# KiCad board PROC099A_PCB-PcbDoc.kicad_pcb (continued)
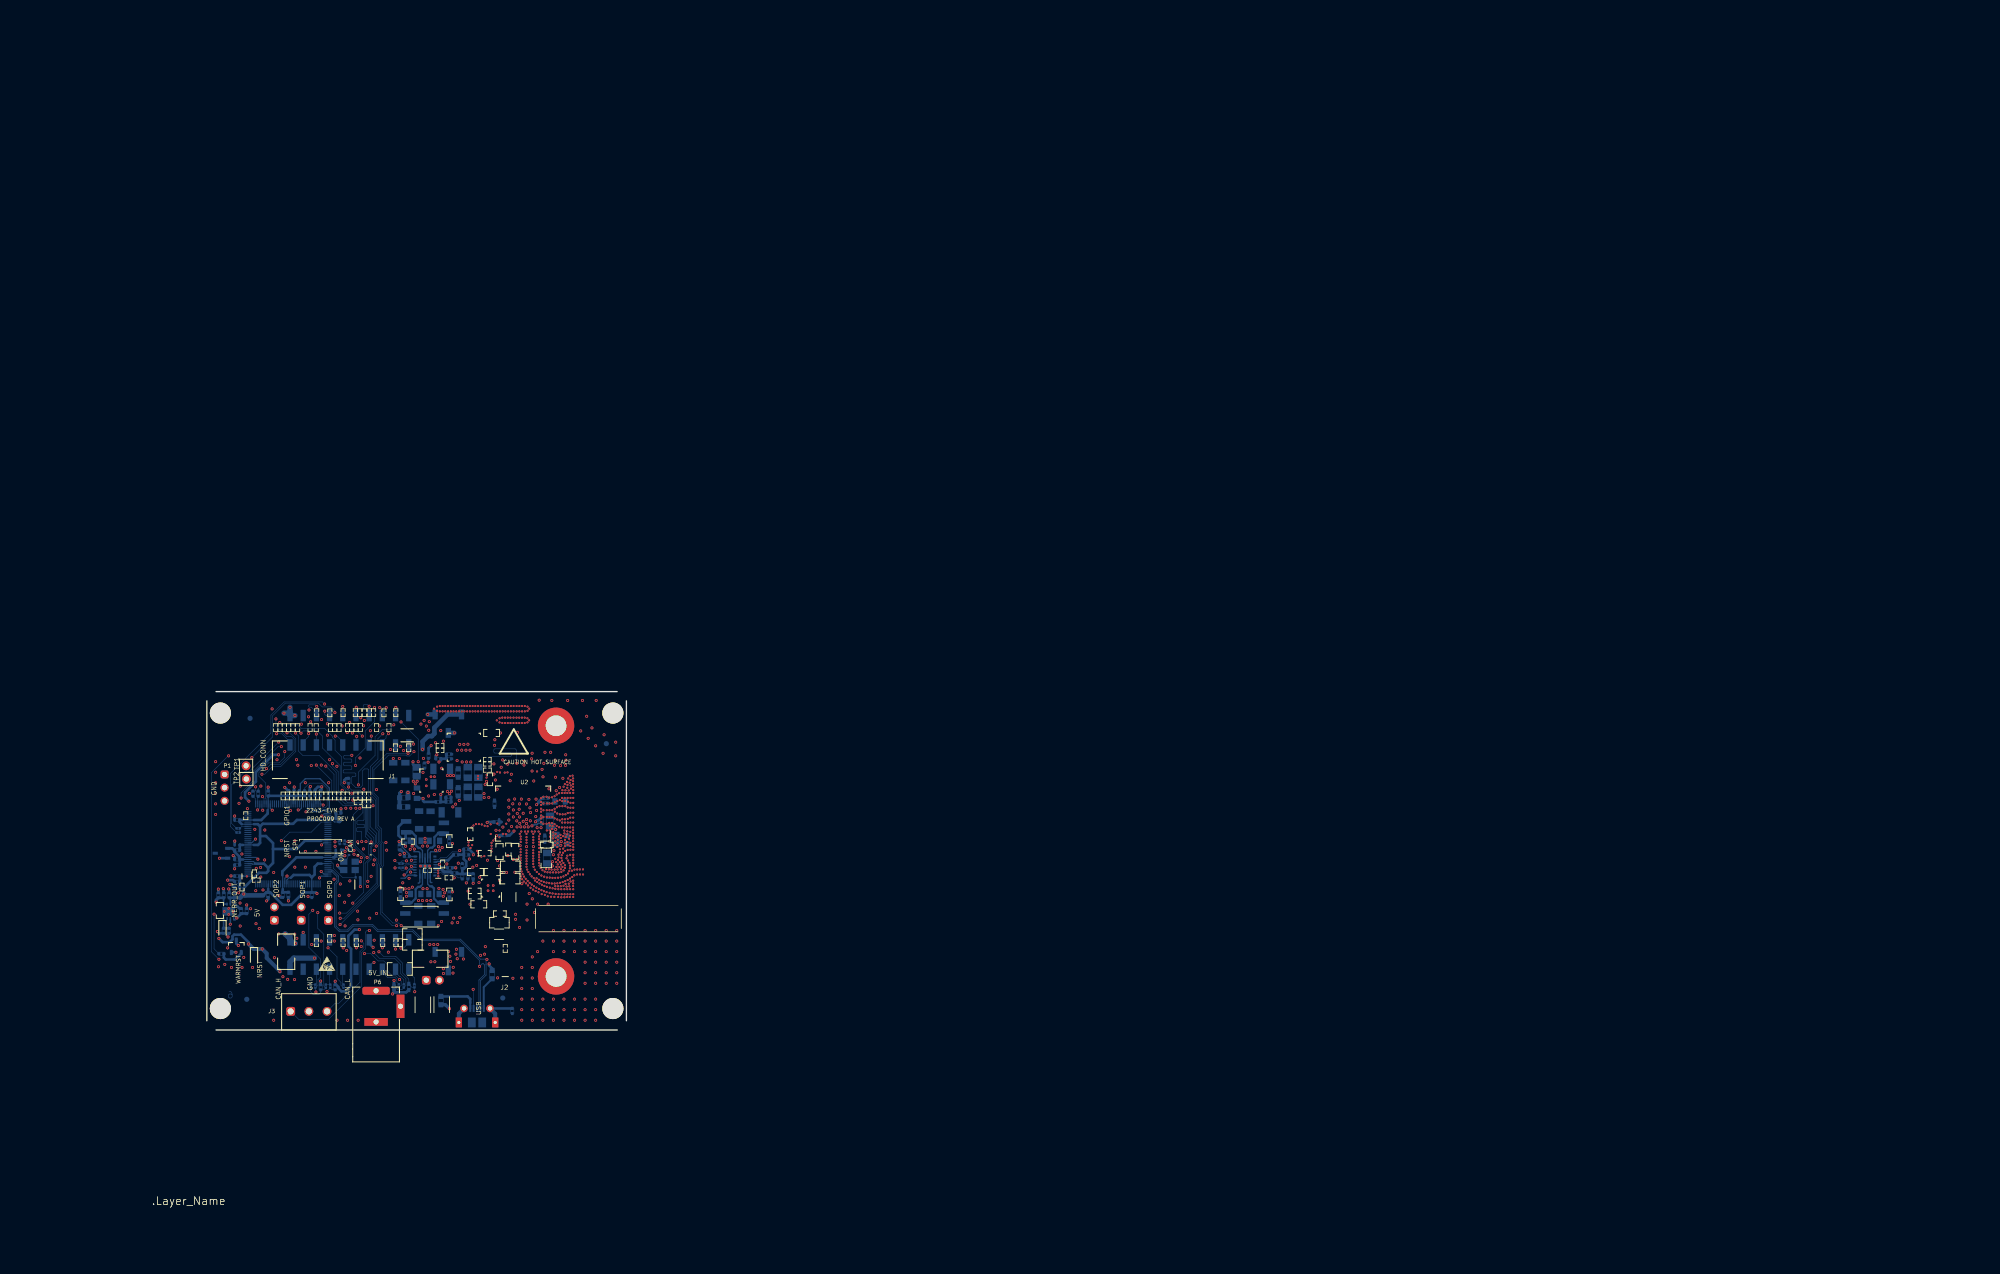
[diagram p0: board, top side]
## Placement (name value [footprint] x y rotation side) (continued)
R142  RES, 4.99 k, 1%, 0.1 W, AEC-Q200 Grade 0, 0402  [0402L#2]  49.94 33.77 0 bottom
R143  RES, 4.99 k, 1%, 0.063 W, AEC-Q200 Grade 0, 0402  [0402L#4]  47.98 33.76 0 bottom
R144  RES, 0, 5%, 0.05 W, 0201  [0201_Silk#3]  37.38 31.22 0 bottom
R145  RES, 10.0 k, 1%, 0.063 W, AEC-Q200 Grade 0, 0402  [0402L]  49.18 31.56 0 bottom
R146  RES, 0, 5%, 0.05 W, 0201  [0201_Silk#4]  37.38 32.05 0 bottom
R147  RES, 4.99 k, 1%, 0.063 W, AEC-Q200 Grade 0, 0402  [0402L#4]  47.67 30.23 0 bottom
R148  RES, 10.0 k, 1%, 0.063 W, AEC-Q200 Grade 0, 0402  [0402L#3]  50.23 29.59 0 bottom
R149  RES, 1.0 k, 5%, 0.1 W, AEC-Q200 Grade 0, 0402  [0402L]  51.28 29.58 0 bottom
R150  RES, 4.99 k, 1%, 0.1 W, AEC-Q200 Grade 0, 0402  [0402L]  49.19 29.58 0 bottom
R151  RES, 330 k, 1%, 0.063 W, AEC-Q200 Grade 0, 0402  [0402L#2]  5.85 28.54 0 bottom
R152  RES, 0, 5%, 0.063 W, 0402  [0402L#4]  23.29 31.34 0 top
R153  RES, 330 k, 1%, 0.063 W, AEC-Q200 Grade 0, 0402  [0402L#4]  5.85 27.44 0 bottom
R154  RES, 100, 5%, 0.1 W, AEC-Q200 Grade 0, 0402  [0402L#3]  21.3 27.69 0 top
R155  RES, 10.0 k, 1%, 0.063 W, AEC-Q200 Grade 0, 0402  [0402L#3]  20.21 26 0 bottom
R156  RES, 49.9 k, 1%, 0.063 W, AEC-Q200 Grade 0, 0402  [0402L#3]  6.62 22.9 0 bottom
R157  RES, 30.0 k, 1%, 0.063 W, AEC-Q200 Grade 0, 0402  [0402L]  7.67 22.89 0 bottom
R158  RES, 100 k, 1%, 0.063 W, AEC-Q200 Grade 0, 0402  [0402L#3]  4.28 19.11 0 bottom
R159  RES, 0, 5%, 0.063 W, 0402  [0402L#3]  3.23 19.11 0 bottom
R160  RES, 510, 5%, 0.1 W, AEC-Q200 Grade 0, 0402  [0402L#4]  2.81 14.69 0 bottom
R161  RES, 0, 5%, 0.125 W, 0603  [0603#2]  54.93 10.67 0 bottom
R162  RES, 0, 5%, 0.05 W, 0201  [0201_Silk]  39.95 8.5 0 bottom
R163  RES, 0, 5%, 0.05 W, 0201  [0201_Silk]  37.92 8.49 0 bottom
R164  RES, 0, 5%, 0.05 W, 0201  [0201_Silk]  36.97 8.49 0 bottom
R165  RES, 0, 5%, 0.05 W, 0201  [0201_Silk]  26.3 8.44 0 bottom
R166  RES, 0, 5%, 0.05 W, 0201  [0201_Silk]  23.76 8.43 0 bottom
R167  RES, 0, 5%, 0.05 W, 0201  [0201_Silk]  22.91 8.43 0 bottom
R168  RES, 0, 5%, 0.05 W, 0201  [0201_Silk]  20.89 8.43 0 bottom
R169  RES, 0, 5%, 0.05 W, 0201  [0201_Silk]  20.01 8.43 0 bottom
R170  RES, 2.94 k, 1%, 0.063 W, AEC-Q200 Grade 0, 0402  [0402#3]  38.88 8.29 0 bottom
R171  RES, 2.94 k, 1%, 0.063 W, AEC-Q200 Grade 0, 0402  [0402#3]  36.02 8.29 0 bottom
R172  RES, 100 k, 1%, 0.063 W, AEC-Q200 Grade 0, 0402  [0402L#3]  24.71 8.22 0 bottom
R173  RES, 100 k, 1%, 0.063 W, AEC-Q200 Grade 0, 0402  [0402L#3]  21.91 8.22 0 bottom
R174  RES, 30.0 k, 1%, 0.063 W, AEC-Q200 Grade 0, 0402  [0402L#3]  58.8 3.67 0 bottom
R175  RES, 0, 5%, 0.125 W, 0603  [0603#2]  45.05 5.66 0 bottom
R176  RES, 0, 5%, 0.125 W, 0603  [0603#2]  2.51 23.01 0 top
R177  RES, 0, 5%, 0.063 W, 0402  [0402L#3]  33.33 21.31 0 top
R178  RES, 10.0 k, 1%, 0.063 W, AEC-Q200 Grade 0, 0402  [0402L#3]  34.27 24.6 0 top
R179  RES, 10.0 k, 1%, 0.063 W, AEC-Q200 Grade 0, 0402  [0402L#2]  42.29 29.78 0 top
R180  RES, 0, 5%, 0.05 W, 0201  [0201_Silk#3]  42.48 30.76 0 top
R181  RES, 0, 5%, 0.05 W, 0201  [0201_Silk#3]  46.61 29.3 0 top
R182  RES, 0, 5%, 0.05 W, 0201  [0201_Silk#2]  45.4 31.96 0 top
R183  RES, 0, 5%, 0.063 W, 0402  [0402L#4]  46.8 30.21 0 top
R184  RES, 10.0 k, 1%, 0.063 W, AEC-Q200 Grade 0, 0402  [0402L#3]  6.18 29.87 0 top
R185  RES, 0, 5%, 0.05 W, 0201  [0201_Silk#2]  9.16 30.07 0 top
R186  RES, 0, 5%, 0.05 W, 0201  [0201_Silk#3]  9.51 28.85 0 top
R187  RES, 0, 5%, 0.063 W, 0402  [0402L#3]  7.71 27.33 0 top
R188  RES, 0, 5%, 0.05 W, 0201  [0201_Silk#2]  6.77 27.53 0 top
R189  RES, 360, 5%, 0.1 W, AEC-Q200 Grade 0, 0402  [0402L]  2.24 10.9 0 top
R190  RES, 3.83, 1%, 0.063 W, AEC-Q200 Grade 0, 0402  [0402L#3]  38.27 36.48 0 bottom
R191  RES, 3.83, 1%, 0.063 W, AEC-Q200 Grade 0, 0402  [0402L#3]  46.67 36.33 0 bottom
R192  RES, 3.83, 1%, 0.063 W, AEC-Q200 Grade 0, 0402  [0402L]  37.28 26.16 0 bottom
R193  RES, 3.83, 1%, 0.063 W, AEC-Q200 Grade 0, 0402  [0402L]  46.69 26.11 0 bottom
R194  RES, 4.87 k, 1%, 0.063 W, AEC-Q200 Grade 0, 0402  [0402L]  19.82 45.58 0 bottom
R195  RES, 10.0 k, 1%, 0.063 W, 0402  [0402L#4]  33.5 33.84 0 top
R196  RES, 10.0 k, 1%, 0.063 W, AEC-Q200 Grade 0, 0402  [0402L]  27.27 47.97 0 bottom
R197  RES, 0, 5%, 0.05 W, 0201  [0201]  67.84 53.89 0 top
R198  RES, 0, 5%, 0.05 W, 0201  [0201]  67.84 52.95 0 top
S1  Switch, Slide, SPST, Top Slide, SMT  [SW_CHS-01TB]  21.91 35.37 0 top
SW1  Switch, SPST-NO, Off-Mom, 0.01 A, 32 VDC, SMD  [SW_KMR243GLFG]  11.16 40.64 0 top
SW2  Switch, SPST-NO, Off-Mom, 0.01 A, 32 VDC, SMD  [SW_KMR243GLFG]  11.13 34.86 0 top
TP1  Header, 100mil, 1x1, Tin, TH  [Samtec_TSW-101-17-T-S]  7.56 50.86 0 top
TP2  Header, 100mil, 1x1, Tin, TH  [Samtec_TSW-101-17-T-S]  7.61 48.32 0 top
U1  2.3V-3.6V, 16M-BIT [x 1/x 2/x 4] CMOS FLASH Memory, WSON-8  [WSON-8L_6x5MM_EP]  49.48 54.44 0 top
U2  Single Chip 77 and 79 GHz FMCW Transceiver, ABL0161A (FCBGA-161)  [ABL0161A]  60.89 41.67 0 top
U3  Automotive Fault Protected CAN Transceiver With Flexible Data-Rate, D0008A (SOIC-8)  [D0008A_L]  30.99 28.01 0 top
U4  Automotive Low-Noise, Wide-Bandwidth, High PSRR, Low-Dropout 1-A Linear Regulator, DRB0008A (VSON-8)  [DRB0008A]  54.63 27.32 0 top
U5  Dual, 1-A, Low Noise (3.8-uVRMS), LDO Voltage Regulator, RTJ0020D (WQFN-20)  [RTJ0020D]  43.23 48.03 0 top
U6  Tiva C Series Microcontroller, 1024 KB Flash, 256 KB SRAM, 12 Bit, 20 Channels, -40 to 105 degC, 128-Pin TQFP (PDT), Green (RoHS & no Sb/Br), Tray  [PDT0128A]  15.61 35.83 0 bottom
U7  Precision Micropower Shunt Voltage Reference, 0.5% accuracy, 2.5 V, 15 ppm / degC, 15 mA, -40 to 125 degC, 3-pin SOT-23 (DBZ), Green (RoHS & no Sb/Br)  [DBZ0003A_N]  2.82 34.03 0 bottom
U8  4-A + 2.5-A + Two 1.5-A Buck Converters With Integrated Switches, RNF0026C (VQFN-HR-26)  [RNF0026C]  42.01 31.57 0 bottom
U9  Single Output High PSRR LDO, 1 A, Adjustable 1.2 to 5.5 V Output, 2.7 to 5.5 V Input, 8-pin SON (DRB), -40 to 125 degC, Green (RoHS & no Sb/Br)  [DRB0008B]  4.21 22.83 0 bottom
U10  ESD-Protection Array for High-Speed Data Interfaces, 4 Channels, -40 to +85 degC, 6-pin SON (DRY), Green (RoHS & no Sb/Br)  [DRY0006A]  52.8 13.16 0 top
U11  1.4V-Capable +/-0.5degC Temperature Sensor with Alert Function and I2C/SMBus interface in SOT-563, DRL0006A (SOT-OTHER-6)  [DRL0006A]  44.56 30.16 0 top
U12  1.4V-Capable +/-0.5degC Temperature Sensor with Alert Function and I2C/SMBus interface in SOT-563, DRL0006A (SOT-OTHER-6)  [DRL0006A#2]  7.71 29.57 0 top
U13  10-Ohm Quad SPDT Analog Switch, RSV0016A (UQFN-16)  [RSV0016A]  30.34 34.79 0 top
Y1  Crystal, 40 MHz, 8pF, SMD  [Kyocera_CX3225SA]  52.87 36.67 0 top
Y2  Crystal, 16 MHz, 15 ppm, 8 pF, AEC-Q200 Grade 1, SMD  [NDK_NX3225SA]  27.46 31.6 0 bottom
ZZ1  This Assembly Note is for PCB labels only  [AssemblyNoteLabel]  -9.69 83.61 0 top
ZZ2  These assemblies are ESD sensitive, ESD precautions shall be observed.  [AssemblyNote]  -9.69 80.85 0 top
ZZ3  These assemblies must be clean and free from flux and all contaminants. Use of no clean flux is not acceptable.  [AssemblyNote]  -9.69 78.6 0 top
ZZ4  These assemblies must comply with workmanship standards IPC-A-610 Class 2, unless otherwise specified.  [AssemblyNote]  -9.69 76.35 0 top
ZZ5  Micro USB cable, Brackets, Screws, Nuts, Jumpers and Bump on need to be placed in a platic bag  [AssemblyNote]  -9.71 73.99 0 top

## Footprints (pads in the part's own frame, mm; a bottom-side part is the same pattern mirrored in y, then rotated)
0201
  rect 0.46x0.42 smd: 1(0.33,0) 2(-0.33,0)
0201_033
  rect 0.46x0.42 smd: 1(0.33,0) 2(-0.33,0)
0201_Silk
  rect 0.42x0.46 smd: 1(0,0.33) 2(0,-0.33)
0201_Silk#2
  rect 0.42x0.46 smd: 1(0,-0.33) 2(0,0.33)
0201_Silk#3
  rect 0.46x0.42 smd: 1(-0.33,0) 2(0.33,0)
0201_Silk#4
  rect 0.46x0.42 smd: 1(0.33,0) 2(-0.33,0)
0402
  rect 0.6x0.8 smd: 1(0,0.6) 2(0,-0.6)
0402#2
  rect 0.8x0.6 smd: 1(-0.6,0) 2(0.6,0)
0402#3
  rect 0.6x0.8 smd: 1(0,-0.6) 2(0,0.6)
0402#4
  rect 0.8x0.6 smd: 1(0.6,0) 2(-0.6,0)
0402_065L
  rect 0.5x0.6 smd: 1(0,-0.5) 2(0,0.5)
0402_065L#2
  rect 0.5x0.6 smd: 1(0,0.5) 2(0,-0.5)
0402_070
  rect 0.381x0.61 smd: 1(-0.508,0) 2(0.508,0)
0402_070#2
  rect 0.61x0.381 smd: 1(0,0.508) 2(0,-0.508)
0402_070#3
  rect 0.381x0.61 smd: 1(0.508,0) 2(-0.508,0)
0402L
  rect 0.5x0.6 smd: 1(0,-0.5) 2(0,0.5)
0402L#2
  rect 0.6x0.5 smd: 1(0.5,0) 2(-0.5,0)
0402L#3
  rect 0.5x0.6 smd: 1(0,0.5) 2(0,-0.5)
0402L#4
  rect 0.6x0.5 smd: 1(-0.5,0) 2(0.5,0)
0402S
  rect 0.381x0.61 smd: 1(0.508,0) 2(-0.508,0)
0603
  rect 1x0.95 smd: 1(0.8,0) 2(-0.8,0)
0603#2
  rect 0.95x1 smd: 1(0,0.8) 2(0,-0.8)
0603#3
  rect 1x0.95 smd: 1(-0.8,0) 2(0.8,0)
0603#4
  rect 0.95x1 smd: 1(0,-0.8) 2(0,0.8)
0805
  rect 1.5x1.3 smd: 1(0,-0.85) 2(0,0.85)
0805_HV
  rect 1.6x1.27 smd: 1(0,1.016) 2(0,-1.016)
0805_HV1
  rrect 1x1.25 smd: 1(1,0) 2(-1,0)
0805_HV1#2
  rrect 1.25x1 smd: 1(0,1) 2(0,-1)
0805_HV1#3
  rrect 1x1.25 smd: 1(-1,0) 2(1,0)
0805_HV#2
  rect 1.27x1.6 smd: 1(-1.016,0) 2(1.016,0)
0805_HV#3
  rect 1.6x1.27 smd: 1(0,-1.016) 2(0,1.016)
1206
  rect 1.3x1.85 smd: 1(1.45,0) 2(-1.45,0)
1206_180
  rect 1.1x1.6 smd: 1(-1.7,0) 2(1.7,0)
1206_180#2
  rect 1.6x1.1 smd: 1(0,-1.7) 2(0,1.7)
1206_180#3
  rect 1.6x1.1 smd: 1(0,1.7) 2(0,-1.7)
2010
  rect 2.7x1.6 smd: 1(0,2.3) 2(0,-2.3)
2010#2
  rect 1.6x2.7 smd: 1(-2.3,0) 2(2.3,0)
2010L
  rect 1.2x2.7 smd: 1(-2.2,0) 2(2.2,0)
3528-21
  rrect 2.23x1.8 smd: 1(0,1.46) 2(0,-1.46)
ABL0161A
  round 0.32 smd: A1(4.55,-4.55) A2(3.9,-4.55) A3(3.25,-4.55) A5(1.95,-4.55) A7(0.65,-4.55) A9(-0.65,-4.55) A10(-1.3,-4.55) A13(-3.25,-4.55) A14(-3.9,-4.55) A15(-4.55,-4.55) B1(4.55,-3.9) B2(3.9,-3.9) B3(3.25,-3.9) B4(2.6,-3.9) B5(1.95,-3.9) B6(1.3,-3.9) B7(0.65,-3.9) B8(0,-3.9) B9(-0.65,-3.9) B10(-1.3,-3.9) B11(-1.95,-3.9) B12(-2.6,-3.9) B13(-3.25,-3.9) B14(-3.9,-3.9) B15(-4.55,-3.9) C1(4.55,-3.25) C2(3.9,-3.25) C3(3.25,-3.25) C4(2.6,-3.25) C5(1.95,-3.25) C6(1.3,-3.25) C7(0.65,-3.25) C8(0,-3.25) C9(-0.65,-3.25) C13(-3.25,-3.25) C14(-3.9,-3.25) C15(-4.55,-3.25) D1(4.55,-2.6) D2(3.9,-2.6) D13(-3.25,-2.6) D15(-4.55,-2.6) E1(4.55,-1.95) E2(3.9,-1.95) E3(3.25,-1.95) E5(1.95,-1.95) E6(1.3,-1.95) E8(0,-1.95) E10(-1.3,-1.95) E11(-1.95,-1.95) E13(-3.25,-1.95) E14(-3.9,-1.95) E15(-4.55,-1.95) F2(3.9,-1.3) F3(3.25,-1.3) F5(1.95,-1.3) F9(-0.65,-1.3) F11(-1.95,-1.3) F13(-3.25,-1.3) F14(-3.9,-1.3) G1(4.55,-0.65) G2(3.9,-0.65) G3(3.25,-0.65) G5(1.95,-0.65) G6(1.3,-0.65) G7(0.65,-0.65) G8(0,-0.65) G10(-1.3,-0.65) G13(-3.25,-0.65) G14(-3.9,-0.65) G15(-4.55,-0.65) H2(3.9,0) H3(3.25,0) H5(1.95,0) H7(0.65,0) H9(-0.65,0) H11(-1.95,0) H13(-3.25,0) H14(-3.9,0) H15(-4.55,0) J1(4.55,0.65) J2(3.9,0.65) J3(3.25,0.65) J5(1.95,0.65) J6(1.3,0.65) J7(0.65,0.65) J8(0,0.65) J10(-1.3,0.65) J13(-3.25,0.65) J14(-3.9,0.65) J15(-4.55,0.65) K2(3.9,1.3) K3(3.25,1.3) K5(1.95,1.3) K7(0.65,1.3) K8(0,1.3) K9(-0.65,1.3) K10(-1.3,1.3) K11(-1.95,1.3) K13(-3.25,1.3) K14(-3.9,1.3) K15(-4.55,1.3) L1(4.55,1.95) L2(3.9,1.95) L3(3.25,1.95) L5(1.95,1.95) L6(1.3,1.95) L8(0,1.95) L10(-1.3,1.95) L13(-3.25,1.95) L14(-3.9,1.95) L15(-4.55,1.95) M2(3.9,2.6) M3(3.25,2.6) M13(-3.25,2.6) M14(-3.9,2.6) M15(-4.55,2.6) N1(4.55,3.25) N2(3.9,3.25) N3(3.25,3.25) N4(2.6,3.25) N5(1.95,3.25) N6(1.3,3.25) N7(0.65,3.25) N8(0,3.25) N9(-0.65,3.25) N10(-1.3,3.25) N11(-1.95,3.25) N12(-2.6,3.25) N13(-3.25,3.25) N14(-3.9,3.25) N15(-4.55,3.25) P1(4.55,3.9) P2(3.9,3.9) P3(3.25,3.9) P4(2.6,3.9) P5(1.95,3.9) P6(1.3,3.9) P7(0.65,3.9) P8(0,3.9) P9(-0.65,3.9) P10(-1.3,3.9) P11(-1.95,3.9) P12(-2.6,3.9) P13(-3.25,3.9) P14(-3.9,3.9) P15(-4.55,3.9) R1(4.55,4.55) R2(3.9,4.55) R3(3.25,4.55) R4(2.6,4.55) R5(1.95,4.55) R6(1.3,4.55) R7(0.65,4.55) R8(0,4.55) R9(-0.65,4.55) R10(-1.3,4.55) R11(-1.95,4.55) R12(-2.6,4.55) R13(-3.25,4.55) R14(-3.9,4.55) R15(-4.55,4.55)
CONN_105017-0001
  rect 0.4x1.35 smd: 1(1.3,-1.35) 2(0.65,-1.35) 3(0,-1.35) 4(-0.65,-1.35) 5(-1.3,-1.35)
  rrect 1.2x1.9 hole 0.6: 6(3.5,1.35) 9(-3.5,1.35)
  rect 1.5x1.9 smd: 7(1,1.35) 8(-1,1.35)
  round 1.45 hole 0.85: 10(-2.5,-1.35) 11(2.5,-1.35)
CUI_PJ-002AH
  rrect 5.25x1.5 hole 1: 1(0,3)
  rrect 4.5x1.5 hole 1: 2(0,-3)
  rrect 1.5x4.5 hole 1: 3(4.7,0)
D0008A_L
  oval 0.55x1.25 smd: 1(1.905,2.625) 2(0.635,2.625) 3(-0.635,2.625) 4(-1.905,2.625) 5(-1.905,-2.625) 6(-0.635,-2.625) 7(0.635,-2.625) 8(1.905,-2.625)
DBZ0003A_N
  rrect 1x0.6 smd: 1(1.2,-0.95) 2(1.2,0.95) 3(-1.2,0)
DEFAULT
  round 4.064 hole 4.064 unplated: (45.517,111.1) (45.517,54.204) (121.069,111.1) (121.069,54.204)
  round 7 hole 4: 0(110.133,108.65) 1(110.133,60.39)
DFE252012P
  rect 2x0.9 smd: 1(0,1.05) 2(0,-1.05)
DFE252012P#2
  rect 2x0.9 smd: 1(0,-1.05) 2(0,1.05)
DRB0008A
  rrect 0.3x0.6 smd: 1(0.975,1.4) 2(0.325,1.4) 3(-0.325,1.4) 4(-0.975,1.4) 5(-0.975,-1.4) 6(-0.325,-1.4) 7(0.325,-1.4) 8(0.975,-1.4)
  rrect 1.75x1.5 smd: 9(0,0)
DRB0008B
  rrect 1.06x1.47 smd: (-0.63,0) (0.63,0)
  rrect 0.3x0.6 smd: 1(-0.975,-1.4) 2(-0.325,-1.4) 3(0.325,-1.4) 4(0.975,-1.4) 5(0.975,1.4) 6(0.325,1.4) 7(-0.325,1.4) 8(-0.975,1.4)
  rrect 2.4x1.65 smd: 9(0,0)
DRL0006A
  rrect 0.67x0.3 smd: 1(-0.74,0.5) 2(-0.74,0) 3(-0.74,-0.5) 4(0.74,-0.5) 5(0.74,0) 6(0.74,0.5)
DRL0006A#2
  rrect 0.3x0.67 smd: 1(0.5,0.74) 2(0,0.74) 3(-0.5,0.74) 4(-0.5,-0.74) 5(0,-0.74) 6(0.5,-0.74)
DRY0006A
  rrect 0.2x0.35 smd: 1(0.5,0.275)
  rrect 0.2x0.3 smd: 2(0,0.3) 3(-0.5,0.3) 4(-0.5,-0.3) 5(0,-0.3) 6(0.5,-0.3)
Fiducial10-20
  round 1 smd: 1(0,0)
FP-GCM1555C1H8R0DA16_0402-MFG
  rrect 0.4x0.5 smd: 1(-0.4,0) 2(0.4,0)
FP-GCM1555C1H8R0DA16_0402-MFG#2
  rrect 0.5x0.4 smd: 1(0,0.4) 2(0,-0.4)
Johnson_128-0711-201
  rrect 1x1.05 smd: 1(0,1.525)
  rrect 1.05x2.2 smd: 2(-1.475,0) 3(1.475,0)
Kyocera_CX3225SA
  rrect 1.05x1.45 smd: 1(0.925,-1.075) 2(0.925,1.075) 3(-0.925,1.075) 4(-0.925,-1.075)
Label_650x200
  round 0.025 smd: (0,0)
NDK_NX3225SA
  rect 1.4x1.2 smd: 1(-1.1,-0.8) 2(1.1,-0.8) 3(1.1,0.8) 4(-1.1,0.8)
NLCV32
  rect 2x1.2 smd: 1(0,-1.6) 2(0,1.6)
NLCV32#2
  rect 1.2x2 smd: 1(-1.6,0) 2(1.6,0)
On-Shore_OSTTE030161
  rrect 1.7x1.7 hole 1.2: 1(-3.5,0)
  round 1.7 hole 1.2: 2(0,0) 3(3.5,0)
PDT0128A
  oval 1.4x0.2 smd: 1(-7.7,6.2) 2(-7.7,5.8) 3(-7.7,5.4) 4(-7.7,5) 5(-7.7,4.6) 6(-7.7,4.2) 7(-7.7,3.8) 8(-7.7,3.4) 9(-7.7,3) 10(-7.7,2.6) 11(-7.7,2.2) 12(-7.7,1.8) 13(-7.7,1.4) 14(-7.7,1) 15(-7.7,0.6) 16(-7.7,0.2) 17(-7.7,-0.2) 18(-7.7,-0.6) 19(-7.7,-1) 20(-7.7,-1.4) 21(-7.7,-1.8) 22(-7.7,-2.2) 23(-7.7,-2.6) 24(-7.7,-3) 25(-7.7,-3.4) 26(-7.7,-3.8) 27(-7.7,-4.2) 28(-7.7,-4.6) 29(-7.7,-5) 30(-7.7,-5.4) 31(-7.7,-5.8) 32(-7.7,-6.2) 65(7.7,-6.2) 66(7.7,-5.8) 67(7.7,-5.4) 68(7.7,-5) 69(7.7,-4.6) 70(7.7,-4.2) 71(7.7,-3.8) 72(7.7,-3.4) 73(7.7,-3) 74(7.7,-2.6) 75(7.7,-2.2) 76(7.7,-1.8) 77(7.7,-1.4) 78(7.7,-1) 79(7.7,-0.6) 80(7.7,-0.2) 81(7.7,0.2) 82(7.7,0.6) 83(7.7,1) 84(7.7,1.4) 85(7.7,1.8) 86(7.7,2.2) 87(7.7,2.6) 88(7.7,3) 89(7.7,3.4) 90(7.7,3.8) 91(7.7,4.2) 92(7.7,4.6) 93(7.7,5) 94(7.7,5.4) 95(7.7,5.8) 96(7.7,6.2)
  oval 0.2x1.4 smd: 33(-6.2,-7.7) 34(-5.8,-7.7) 35(-5.4,-7.7) 36(-5,-7.7) 37(-4.6,-7.7) 38(-4.2,-7.7) 39(-3.8,-7.7) 40(-3.4,-7.7) 41(-3,-7.7) 42(-2.6,-7.7) 43(-2.2,-7.7) 44(-1.8,-7.7) 45(-1.4,-7.7) 46(-1,-7.7) 47(-0.6,-7.7) 48(-0.2,-7.7) 49(0.2,-7.7) 50(0.6,-7.7) 51(1,-7.7) 52(1.4,-7.7) 53(1.8,-7.7) 54(2.2,-7.7) 55(2.6,-7.7) 56(3,-7.7) 57(3.4,-7.7) 58(3.8,-7.7) 59(4.2,-7.7) 60(4.6,-7.7) 61(5,-7.7) 62(5.4,-7.7) 63(5.8,-7.7) 64(6.2,-7.7) 97(6.2,7.7) 98(5.8,7.7) 99(5.4,7.7) 100(5,7.7) 101(4.6,7.7) 102(4.2,7.7) 103(3.8,7.7) 104(3.4,7.7) 105(3,7.7) 106(2.6,7.7) 107(2.2,7.7) 108(1.8,7.7) 109(1.4,7.7) 110(1,7.7) 111(0.6,7.7) 112(0.2,7.7) 113(-0.2,7.7) 114(-0.6,7.7) 115(-1,7.7) 116(-1.4,7.7) 117(-1.8,7.7) 118(-2.2,7.7) 119(-2.6,7.7) 120(-3,7.7) 121(-3.4,7.7) 122(-3.8,7.7) 123(-4.2,7.7) 124(-4.6,7.7) 125(-5,7.7) 126(-5.4,7.7) 127(-5.8,7.7) 128(-6.2,7.7)
RNF0026C
  rrect 0.6x0.3 smd: (-1.9,-1.775) (-1.9,1.775) (1.9,-1.775) (1.9,1.775)
  rrect 0.3x0.825 smd: (-1.575,-2.038) (-1.575,2.038) (1.575,-2.038) (1.575,2.038)
  rrect 0.25x0.81 smd: (-1,-2.045) (-1,-1.035) (-1,1.035) (-1,2.045) (-0.5,-2.045) (-0.5,-1.035) (-0.5,1.035) (-0.5,2.045) (0,-2.045) (0,-1.035) (0,1.035) (0,2.045) (0.5,-2.045) (0.5,-1.035) (0.5,1.035) (0.5,2.045) (1,-2.045) (1,-1.035) (1,1.035) (1,2.045)
  rrect 0.98x0.66 smd: (-0.59,0) (0.59,0)
  rrect 0.6x0.4 smd: 1(-1.9,1.825) 8(-1.9,-1.825) 14(1.9,-1.825) 21(1.9,1.825)
  rrect 0.6x0.25 smd: 2(-1.9,1.25) 3(-1.9,0.75) 4(-1.9,0.25) 5(-1.9,-0.25) 6(-1.9,-0.75) 7(-1.9,-1.25) 15(1.9,-1.25) 16(1.9,-0.75) 17(1.9,-0.25) 18(1.9,0.25) 19(1.9,0.75) 20(1.9,1.25)
  rrect 0.25x1.82 smd: 9(-1,-1.54) 10(-0.5,-1.54) 11(0,-1.54) 12(0.5,-1.54) 13(1,-1.54) 22(1,1.54) 23(0.5,1.54) 24(0,1.54) 25(-0.5,1.54) 26(-1,1.54)
  rrect 2.24x0.66 smd: 27(0,0)
RSV0016A
  rect 0.2x0.7 smd: 1(0.6,0.75)
  rect 0.2x0.6 smd: 2(0.2,0.8) 3(-0.2,0.8) 4(-0.6,0.8) 9(-0.6,-0.8) 10(-0.2,-0.8) 11(0.2,-0.8) 12(0.6,-0.8)
  rect 0.6x0.2 smd: 5(-1.2,0.6) 6(-1.2,0.2) 7(-1.2,-0.2) 8(-1.2,-0.6) 13(1.2,-0.6) 14(1.2,-0.2) 15(1.2,0.2) 16(1.2,0.6)
RTJ0020D
  rrect 1.19x1.19 smd: (-0.695,0.695) (-0.695,-0.695) (0.695,0.695) (0.695,-0.695)
  rrect 0.6x0.24 smd: 1(-1.9,1) 2(-1.9,0.5) 3(-1.9,0) 4(-1.9,-0.5) 5(-1.9,-1) 11(1.9,-1) 12(1.9,-0.5) 13(1.9,0) 14(1.9,0.5) 15(1.9,1)
  rrect 0.24x0.6 smd: 6(-1,-1.9) 7(-0.5,-1.9) 8(0,-1.9) 9(0.5,-1.9) 10(1,-1.9) 16(1,1.9) 17(0.5,1.9) 18(0,1.9) 19(-0.5,1.9) 20(-1,1.9)
  rrect 2.7x2.7 smd: 21(0,0)
Samtec_QSH-030-01-X-D-A
  round 0.001 hole 1.02 unplated: (-10.065,-2.67) (10.065,-2.67)
  rect 0.279x2.27 smd: 1(7.25,2.865) 2(7.25,-2.865) 3(6.75,2.865) 4(6.75,-2.865) 5(6.25,2.865) 6(6.25,-2.865) 7(5.75,2.865) 8(5.75,-2.865) 9(5.25,2.865) 10(5.25,-2.865) 11(4.75,2.865) 12(4.75,-2.865) 13(4.25,2.865) 14(4.25,-2.865) 15(3.75,2.865) 16(3.75,-2.865) 17(3.25,2.865) 18(3.25,-2.865) 19(2.75,2.865) 20(2.75,-2.865) 21(2.25,2.865) 22(2.25,-2.865) 23(1.75,2.865) 24(1.75,-2.865) 25(1.25,2.865) 26(1.25,-2.865) 27(0.75,2.865) 28(0.75,-2.865) 29(0.25,2.865) 30(0.25,-2.865) 31(-0.25,2.865) 32(-0.25,-2.865) 33(-0.75,2.865) 34(-0.75,-2.865) 35(-1.25,2.865) 36(-1.25,-2.865) 37(-1.75,2.865) 38(-1.75,-2.865) 39(-2.25,2.865) 40(-2.25,-2.865) 41(-2.75,2.865) 42(-2.75,-2.865) 43(-3.25,2.865) 44(-3.25,-2.865) 45(-3.75,2.865) 46(-3.75,-2.865) 47(-4.25,2.865) 48(-4.25,-2.865) 49(-4.75,2.865) 50(-4.75,-2.865) 51(-5.25,2.865) 52(-5.25,-2.865) 53(-5.75,2.865) 54(-5.75,-2.865) 55(-6.25,2.865) 56(-6.25,-2.865) 57(-6.75,2.865) 58(-6.75,-2.865) 59(-7.25,2.865) 60(-7.25,-2.865)
  rect 2.54x0.43 smd: MP1(8.065,0) MP4(-8.065,0)
  rect 4.7x0.43 smd: MP2(3.175,0) MP3(-3.175,0)
Samtec_SSM-103-x-SV
  rrect 1.02x1.905 smd: 1(-2.54,-1.778) 2(0,1.778) 3(2.54,-1.778)
Samtec_SSM-110-x-DV
  rrect 1.02x2.22 smd: 1(-11.43,2.825) 2(-11.43,-2.825) 3(-8.89,2.825) 4(-8.89,-2.825) 5(-6.35,2.825) 6(-6.35,-2.825) 7(-3.81,2.825) 8(-3.81,-2.825) 9(-1.27,2.825) 10(-1.27,-2.825) 11(1.27,2.825) 12(1.27,-2.825) 13(3.81,2.825) 14(3.81,-2.825) 15(6.35,2.825) 16(6.35,-2.825) 17(8.89,2.825) 18(8.89,-2.825) 19(11.43,2.825) 20(11.43,-2.825)
Samtec_TSW-101-17-T-S
  round 1.7 hole 1.02: 1(0,0)
Samtec_TSW-103-07-T-S
  rrect 1.55x1.55 hole 1.02: 1(0,2.54)
  round 1.55 hole 1.02: 2(0,0) 3(0,-2.54)
SMB
  rect 2.159x2.743 smd: 1(-2.21,0) 2(2.21,0)
SML-E1_Yellow
  rect 0.8x0.8 smd: 1(0,-0.825) 2(0,0.825)
SML-LX0603SRW_SuperRed
  rect 0.8x0.8 smd: 1(0,-0.75) 2(0,0.75)
SOD-882
  rrect 0.475x0.75 smd: 1(-0.412,0) 2(0.412,0)
SOT-23
  rrect 0.6x1 smd: 1(-0.95,-1.2) 2(0.95,-1.2) 3(0,1.2)
SOT-23#2
  rrect 0.6x1 smd: 1(0.95,1.2) 2(-0.95,1.2) 3(0,-1.2)
SW_CHS-01TB
  rect 1.27x1 smd: 1(-3.81,0) 2(3.81,0)
SW_KMR243GLFG
  rrect 0.9x1 smd: 1(2.05,-0.8) 2(-2.05,-0.8) 3(2.05,0.8) 4(-2.05,0.8)
  rrect 1.7x0.55 smd: 5(0,-1.425)
TSW-102-07-G-S
  rrect 1.65x1.65 hole 1.016: 1(-1.27,0)
  round 1.65 hole 1.016: 2(1.27,0)
TSW-102-07-G-S#2
  rrect 1.65x1.65 hole 1.016: 1(0,-1.27)
  round 1.65 hole 1.016: 2(0,1.27)
WSON-8L_6x5MM_EP
  rrect 1.468x1.698 smd: (-0.834,0.949) (-0.834,-0.949) (0.834,0.949) (0.834,-0.949)
  rrect 0.8x0.4 smd: 1(-2.8,1.905) 2(-2.8,0.635) 3(-2.8,-0.635) 4(-2.8,-1.905) 5(2.8,-1.905) 6(2.8,-0.635) 7(2.8,0.635) 8(2.8,1.905)
  rrect 3.4x4 smd: 9(0,0)

## Nets
3V3_BRD: C41.1 C42.2 C43.2 C50.1 C61.1 C76.2 C77.2 C78.2 R124.2 R127.2 R134.2 R140.2 R155.2 R156.2 R179.2 R183.2 R184.2 R187.2 R188.1 U6.7 U6.8 U6.16 U6.26 U6.28 U6.39 U6.47 U6.51 U6.52 U6.69 U6.79 U6.90 U6.101 U6.113 U6.122 U9.3 U9.4
3V3_MON_XDS_1: R158.2 R159.2 U9.8
5V_IN: FB1.2 FB2.2 P5.1 R34.2 R78.2 R100.2 R103.2 R115.2 R117.2 R118.1 R149.2 R176.2
5V_UNREG: C59.2 C60.2 C68.2 C72.2 C73.2 P5.2 R118.2 U8.9 U8.13 U8.18 U8.22 U8.26
+3.3VD: C5.1 C20.2 C90.2 P2.2 P3.2 P4.2 R14.2 R15.2 R16.2 R37.1 R38.2 R41.2 R43.2 R68.2 R74.2 R90.2 R91.2 R125.2 R130.2 R133.2 R170.2 R171.2 R172.2 R173.2 R178.1 R189.2 U2.R13 U3.5 U13.14
GND: C1.1 C2.1 C3.2 C4.2 C5.2 C6.2 C7.2 C8.2 C9.2 C10.2 C11.1 C12.2 C13.2 C14.2 C15.1 C16.1 C17.2 C19.2 C20.1 C21.2 C22.2 C23.2 C24.1 C25.2 C26.2 C27.2 C29.1 C30.1 C31.1 C32.1 C33.1 C34.1 C35.1 C36.1 C37.1 C38.1 C39.2 C40.1 C41.2 C42.1 C43.1 C44.1 C45.2 C47.2 C48.2 C49.1 C50.2 C51.2 C52.2 C53.2 C54.1 C55.1 C56.2 C57.2 C58.2 C59.1 C60.1 C61.2 C62.2 C63.2 C64.1 C65.2 C66.1 C67.1 C68.1 C69.1 C70.2 C71.1 C72.1 C73.1 C74.1 C75.1 C76.1 C77.1 C79.1 C80.1 C81.1 C82.1 C83.2 C84.1 C85.2 C86.2 C87.2 C88.2 C89.2 C90.1 C91.1 D3.2 DS2.2 J1.18 J1.24 J1.30 J1.36 J1.42 J1.48 J1.54 J1.60 J1.MP1 J1.MP2 J1.MP3 J1.MP4 J2.2 J2.3 J3.2 J4.1 J4.2 J5.4 J6.2 J7.1 J7.2 P1.2 P6.2 P6.3 Q1.2 Q2.2 R13.1 R47.2 R73.1 R79.1 R81.1 R83.1 R86.2 R88.1 R96.1 R110.1 R114.1 R119.1 R121.1 R123.2 R126.2 R132.1 R138.1 R139.1 R153.1 R157.1 R158.1 R174.1 R175.1 R181.2 R194.1 R195.2 R196.1 S1.1 SW1.5 SW2.5 TP1.1 U1.4 U1.9 U2.A1 U2.A3 U2.A5 U2.A7 U2.A9 U2.A15 U2.B1 U2.B3 U2.B5 U2.B7 U2.B9 U2.B13 U2.B14 U2.C1 U2.C3 U2.C4 U2.C5 U2.C6 U2.C7 U2.C8 U2.C9 U2.C15 U2.D15 U2.E1 U2.E2 U2.E3 U2.E5 U2.E6 U2.E8 U2.E10 U2.E11 U2.E13 U2.E15 U2.F3 U2.F9 U2.F11 U2.G1 U2.G2 U2.G3 U2.G6 U2.G7 U2.G8 U2.G10 U2.H3 U2.H7 U2.H9 U2.H11 U2.J1 U2.J2 U2.J3 U2.J6 U2.J7 U2.J8 U2.J10 U2.K3 U2.K7 U2.K8 U2.K9 U2.K10 U2.K11 U2.L1 U2.L2 U2.L3 U2.L5 U2.L6 U2.L8 U2.L10 U2.M3 U2.N1 U2.N2 U2.N3 U2.R1 U2.R15 U3.2 U4.4 U4.9 U5.3 U5.13 U5.21 U6.10 U6.17 U6.48 U6.55 U6.58 U6.64 U6.66 U6.80 U6.114 U7.2 U8.4 U8.11 U8.17 U8.24 U8.27 U9.6 U9.9 U10.3 U11.2 U12.2 U13.6 Y1.2 Y1.4 Y2.2 Y2.4
VBUS_1_DETECT: C69.2 R151.1 R153.2 U6.1
VDDC_1: C62.1 C64.2 C74.2 C75.2 U6.87 U6.115
AR_1P3_RF1: C36.2 C37.2 C38.2 C45.1 C46.2 C47.1 L5.2 R131.2 U2.G5 U2.H5 U2.J5 U5.14 U5.15
AR_1P3_RF2: C28.2 C33.2 C34.2 C35.2 C57.1 C58.1 L8.2 R122.2 R137.1 U2.C2 U2.D2 U5.11 U5.12
AR_1V2: C3.1 C4.1 C6.1 C7.1 L9.2 U2.F13 U2.N11 U2.P14 U2.P15 U2.R6 U2.R14
AR_1V4_APLL: C13.1 U2.A10
AR_1V4_SYNTH: C14.1 U2.A13
AR_1V8: C12.1 C17.1 C18.1 C19.1 C39.1 C48.1 C51.1 C52.1 C53.1 C91.2 L7.2 R82.2 U2.B11 U2.B12 U2.D13 U2.F5 U2.K5 U2.K13 U4.1 U4.2
AR_ANAMUX: P1.3 U2.C13
AR_ANATEST1: R104.2 U2.P1
AR_ANATEST2: R94.2 U2.P2
AR_ANATEST3: R105.2 U2.P3
AR_ANATEST4: R106.2 U2.R2
AR_BSS_LOGGER: R31.1 R135.1 U2.R4
AR_CS1: U2.R7 U13.10
AR_GPIO_0: R164.1 R177.2 U2.N4
AR_GPIO_1: R9.2 R72.2 U2.N7
AR_GPIO_2: R8.2 R110.2 R116.1 U2.N13
AR_HOSTINTR1: R10.2 R13.2 R64.2 U2.P6
AR_LVDS_VALID_N: R60.2 U2.N14
AR_LVDS_VALID_P: R61.2 U2.N15
AR_LVDSCSI0_N: R48.2 U2.G14
AR_LVDSCSI0_P: R49.2 U2.G15
AR_LVDSCSI1_N: R50.2 U2.H14
AR_LVDSCSI1_P: R51.2 U2.H15
AR_LVDSCSI2_N: R54.2 U2.K14
AR_LVDSCSI2_P: R55.2 U2.K15
AR_LVDSCSI3_N: R56.2 U2.L14
AR_LVDSCSI3_P: R57.2 U2.L15
AR_LVDSCSI_CLK_N: R52.2 U2.J14
AR_LVDSCSI_CLK_P: R53.2 U2.J15
AR_LVDSCSI_FRCLK_N: R58.2 U2.M14
AR_LVDSCSI_FRCLK_P: R59.2 U2.M15
AR_MCUCLKOUT: R25.1 U2.N9
AR_MISO1: U2.P5 U13.2
AR_MOSI1: U2.R8 U13.5
AR_MSS_LOGGER: R26.1 R136.1 U2.R5
AR_NERR_OUT: DS1.2 R7.2 R19.1 R91.1 U2.N8
AR_NERRIN: R16.1 R24.1 U2.P7
AR_NRST: C11.2 D2.2 R74.1 R77.2 R160.1 SW2.4 U2.P12
AR_NRST_MCU: R2.2 R20.1 R77.1
AR_NRST_XDS: R80.1 U6.40
AR_OSC_CLKOUT: R111.1 U2.A14
AR_PMIC_CLKOUT_SOP2: R97.1 R98.1 R109.2 U2.P13
AR_QSPI_CS: R38.1 U1.1 U2.P8
AR_QSPI_D0: R45.2 U2.R11
AR_QSPI_D1: R39.1 U2.P9
AR_QSPI_D2: R42.1 R43.1 U2.R12
AR_QSPI_D3: R40.2 R41.1 U2.P10
AR_QSPI_SCLK: R44.2 U2.R10
AR_RESERVED: C8.1 TP2.1 U2.G13
AR_RS232RX: R33.1 R129.1 R166.1 R168.1 R172.1 U2.N5
AR_RS232TX: R21.1 R128.1 R167.1 R169.1 R173.1 U2.N6
AR_SCL: R22.1 R144.1 R163.1 R171.1 R180.1 R185.1 R197.1
AR_SDA: R23.1 R146.2 R162.1 R170.1 R182.2 R186.2 R198.1
AR_SPICLK1: U2.R9 U13.7
AR_SYNC_IN: R62.2 R165.1 R196.2 U2.N10
AR_SYNC_OUT_SOP1: R108.2 R113.1 U2.P11
AR_TCK: R66.2 R70.1 U2.M13
AR_TDI: R29.1 R30.1 U2.H13
AR_TDO_SOP0: R67.2 R71.1 R89.1 U2.J13
AR_TMS: R65.2 R69.1 U2.L13
AR_VBGAP: C56.1 U2.B10
AR_VOUT_PA: C10.1 C65.1 C83.1 R137.2 U2.A2 U2.B2
AR_VSENSE: P1.1 U2.C14
AR_WARMRST: DS5.2 R15.1 R18.1 U2.N12
AR_XTALM: C9.1 U2.F14 Y1.3
AR_XTALP: C15.2 U2.E14 Y1.1
CAN_RX: R12.1 U13.3
CAN_TX: R11.1 U13.16
CS1: R1.2 R14.1 R17.1 U13.11
D_LOGGER: J6.6 R1.1
HD_LVDS_VALID_N: J1.22 R60.1
HD_LVDS_VALID_P: J1.20 R61.1
HD_LVDSCSI0_N: J1.58 R48.1
HD_LVDSCSI0_P: J1.56 R49.1
HD_LVDSCSI1_N: J1.52 R50.1
HD_LVDSCSI1_P: J1.50 R51.1
HD_LVDSCSI2_N: J1.40 R54.1
HD_LVDSCSI2_P: J1.38 R55.1
HD_LVDSCSI3_N: J1.34 R56.1
HD_LVDSCSI3_P: J1.32 R57.1
HD_LVDSCSI_CLK_N: J1.46 R52.1
HD_LVDSCSI_CLK_P: J1.44 R53.1
HD_LVDSCSI_FRCLK_N: J1.28 R58.1
HD_LVDSCSI_FRCLK_P: J1.26 R59.1
LDO_01_EN: R83.2 R84.1 U4.5
LDO_02_EN: R46.2 R47.1 U5.6 U5.20
MCU_3V3: J4.3 J5.1 R130.1
MCU_5V: J5.2 J7.3 R115.1
MCU_SOP0: R36.1 R93.2
MCU_SOP1: R35.1 R112.2
MCU_SOP2: R32.1 R101.2
MISO1: R3.2 R6.2 R63.2 U13.1
MOSI1: R4.2 R5.2 R28.1 U13.4
NetC1_2: C1.2 C2.2 R37.2 U1.8
NetC16_2: C16.2 R78.1 U3.3
NetC18_2: C18.2 R81.2 R82.1 U4.3
NetC22_1: C22.1 U4.6
NetC24_2: C24.2 R85.1 R87.2
NetC26_1: C26.1 C27.1 D3.1 F1.1 FB1.1 FB2.1
NetC28_1: C28.1 R121.2 R122.1 U5.10
NetC29_2: C29.2 U5.7
NetC44_2: C44.2 U5.19
NetC46_1: C46.1 R131.1 R132.2 U5.16
NetC71_2: C71.2 R154.1 U6.96
NetC78_1: C78.1 R156.1 R157.2 U9.5
NetC79_2: C79.2 C80.2 R176.1 U9.1 U9.2
NetC84_2: C84.2 R183.1 U11.5
NetC85_1: C85.1 R187.1 U12.5
NetC86_1: C86.1 R190.1
NetC87_1: C87.1 R191.1
NetC88_1: C88.1 R192.1
NetC89_1: C89.1 R193.1
NetD2_1: D2.1 R80.2
NetDS1_1: DS1.1 R90.1
NetDS2_1: DS2.1 R100.1
NetDS3_1: DS3.1 R103.1
NetDS3_2: DS3.2 Q1.3
NetDS4_1: DS4.1 R117.1
NetDS4_2: DS4.2 Q2.3
NetDS5_1: DS5.1 R189.1
NetF1_2: F1.2 P6.1
NetJ1_1: J1.1 J1.2 J1.3 R34.1
NetJ1_4: J1.4 R67.1
NetJ1_5: J1.5 R29.2
NetJ1_6: J1.6 R66.1
NetJ1_7: J1.7 R17.2
NetJ1_8: J1.8 R65.1
NetJ1_9: J1.9 R75.2
NetJ1_10: J1.10 R64.1
NetJ1_11: J1.11 R28.2
NetJ1_12: J1.12 R63.1
NetJ1_13: J1.13 R27.2
NetJ1_14: J1.14 R7.1
NetJ1_16: J1.16 R62.1
NetJ1_51: J1.51 R23.2
NetJ1_53: J1.53 R22.2
NetJ1_55: J1.55 R33.2
NetJ1_57: J1.57 R21.2
NetJ1_59: J1.59 R20.2
NetJ2_1: J2.1 R111.2
NetJ3_1: J3.1 R85.2 U3.7
NetJ3_3: J3.3 R87.1 U3.6
NetJ5_5: J5.5 R168.2 R169.2
NetJ5_6: J5.6 R104.1
NetJ5_7: J5.7 R166.2 R167.2
NetJ5_8: J5.8 R94.1
NetJ5_9: J5.9 R165.2
NetJ5_10: J5.10 R105.1
NetJ5_12: J5.12 R106.1
NetJ5_13: J5.13 R76.2
NetJ5_14: J5.14 R107.1
NetJ5_15: J5.15 R164.2
NetJ5_16: J5.16 R102.1
NetJ5_17: J5.17 R163.2
NetJ5_18: J5.18 R108.1
NetJ5_19: J5.19 R162.2
NetJ5_20: J5.20 R109.1
NetJ6_1: J6.1 R19.2
NetJ6_3: J6.3 R24.2
NetJ6_5: J6.5 R25.2
NetJ6_8: J6.8 R9.1
NetJ6_9: J6.9 R26.2
NetJ6_10: J6.10 R2.1
NetJ6_11: J6.11 R18.2
NetJ6_12: J6.12 R4.1 R5.1
NetJ6_13: J6.13 R31.2
NetJ6_14: J6.14 R3.1 R6.1
NetJ6_15: J6.15 R32.2
NetJ6_16: J6.16 R10.1
NetJ6_17: J6.17 R35.2
NetJ6_18: J6.18 R8.1
NetJ6_19: J6.19 R36.2
NetJ8_1: J8.1 R161.1
NetJ8_5: J8.5 R175.2
NetJ8_6: J8.6 J8.9 J8.10 J8.11 R174.2 U10.5
NetP2_1: P2.1 R95.2
NetP3_1: P3.1 R99.2
NetP4_1: P4.1 R92.2
NetQ1_1: Q1.1 R116.2
NetQ2_1: Q2.1 R160.2
NetR11_2: R11.2 U3.1
NetR12_2: R12.2 U3.4
NetR39_2: R39.2 U1.2
NetR40_1: R40.1 U1.7
NetR42_2: R42.2 U1.3
NetR44_1: R44.1 U1.6
NetR45_1: R45.1 U1.5
NetR68_1: R68.1 SW1.4
NetR72_1: R72.1 R73.2 SW1.2
NetR79_2: R79.2 SW2.2
NetR86_1: R86.1 R177.1 R178.2 U3.8
NetR88_2: R88.2 R89.2 R92.1 R93.1
NetR95_1: R95.1 R96.2 R112.1 R113.2
NetR98_2: R98.2 R99.1 R101.1 R114.2
NetR123_1: R123.1 U6.63
NetR124_1: R124.1 U6.61
NetR125_1: R125.1 S1.2 U13.15
NetR126_1: R126.1 U6.62
NetR127_1: R127.1 U6.60
NetR128_2: R128.2 U6.33
NetR129_2: R129.2 U6.34
NetR143_1: R143.1 U8.16
NetR144_2: R144.2 U8.5
NetR146_1: R146.1 U8.6
NetR147_1: R147.1 U8.19
NetR152_1: R152.1 U6.95
NetR179_1: R179.1 U11.3
NetR180_2: R180.2 U11.1
NetR181_1: R181.1 U11.4
NetR182_1: R182.1 U11.6
NetR184_1: R184.1 U12.3
NetR185_2: R185.2 U12.1
NetR186_1: R186.1 U12.6
NetR188_2: R188.2 U12.4
NetR194_2: R194.2 U6.59
NetR195_1: R195.1 U13.13
NetR197_2: R197.2 U2.P4
NetR198_2: R198.2 U2.R3
PGOOD: R27.1 R107.2 R138.2 R141.2 R159.1
PMIC_1V0: C30.2 C31.2 C32.2 C40.2 C81.2 L4.2 L5.1 L8.1 R46.1 R120.2 U5.1 U5.2 U5.4 U5.5 U8.1
PMIC_1V2: C54.2 L1.2 L9.1 U8.14
PMIC_1V8: C21.1 C23.1 C25.1 C82.2 L3.2 L7.1 R84.2 U4.7 U4.8 U8.21
PMIC_CLK: R97.2 U8.3
PMIC_EN1: R102.2 R142.1 U8.7
PMIC_EN2: R148.1 U8.15
PMIC_EN3: R145.1 U8.2
PMIC_NRST: R150.2 U8.20
PMICOUT_3V3: C55.2 L2.2 R133.1 R141.1 U8.8
PMICVIO_3V3: R139.2 R142.2 R143.2 R145.2 R147.2 R148.2 R149.1 R150.1
RX1: U2.M2
RX2: U2.K2
RX3: U2.H2
RX4: U2.F2
SPICLK1: R75.1 R76.1 U13.8
SS_CTRL: R119.2 R120.1 U5.8 U5.18
SW0: L2.1 R190.2 U8.10
SW1: L1.1 R191.2 U8.12
SW2: L4.1 R192.2 U8.25
SW3: L3.1 R193.2 U8.23
TX1: U2.B4
TX2: U2.B6
TX3: U2.B8
XDSET_1_D_N: J8.2 U6.93 U10.1
XDSET_1_D_P: J8.3 U6.94 U10.4
XDSET_1_ID: J8.4 R152.2 U10.2
XDSET_1_VBUS: R151.2 R154.2 R161.2 U10.6
XDSET_LOGGER: R135.2 R136.2 U6.25
XDSET_NRST: R155.1 U6.70
XDSET_OSC0: C70.1 U6.88 Y2.1
XDSET_OSC1: C63.1 U6.89 Y2.3
XDSET_TCK: R70.2 U6.35
XDSET_TDI: R30.2 U6.38
XDSET_TDO: R71.2 U6.37
XDSET_TMS: R69.2 U6.36
XDSET_VBAT: C49.2 R134.1 U6.68
XDSET_VREFA: C66.2 C67.2 R140.1 U6.9 U7.1
